# Altium PCB mantarray_beta2_sensor_arrayed.PcbDoc (part 12 of 14) (continued)
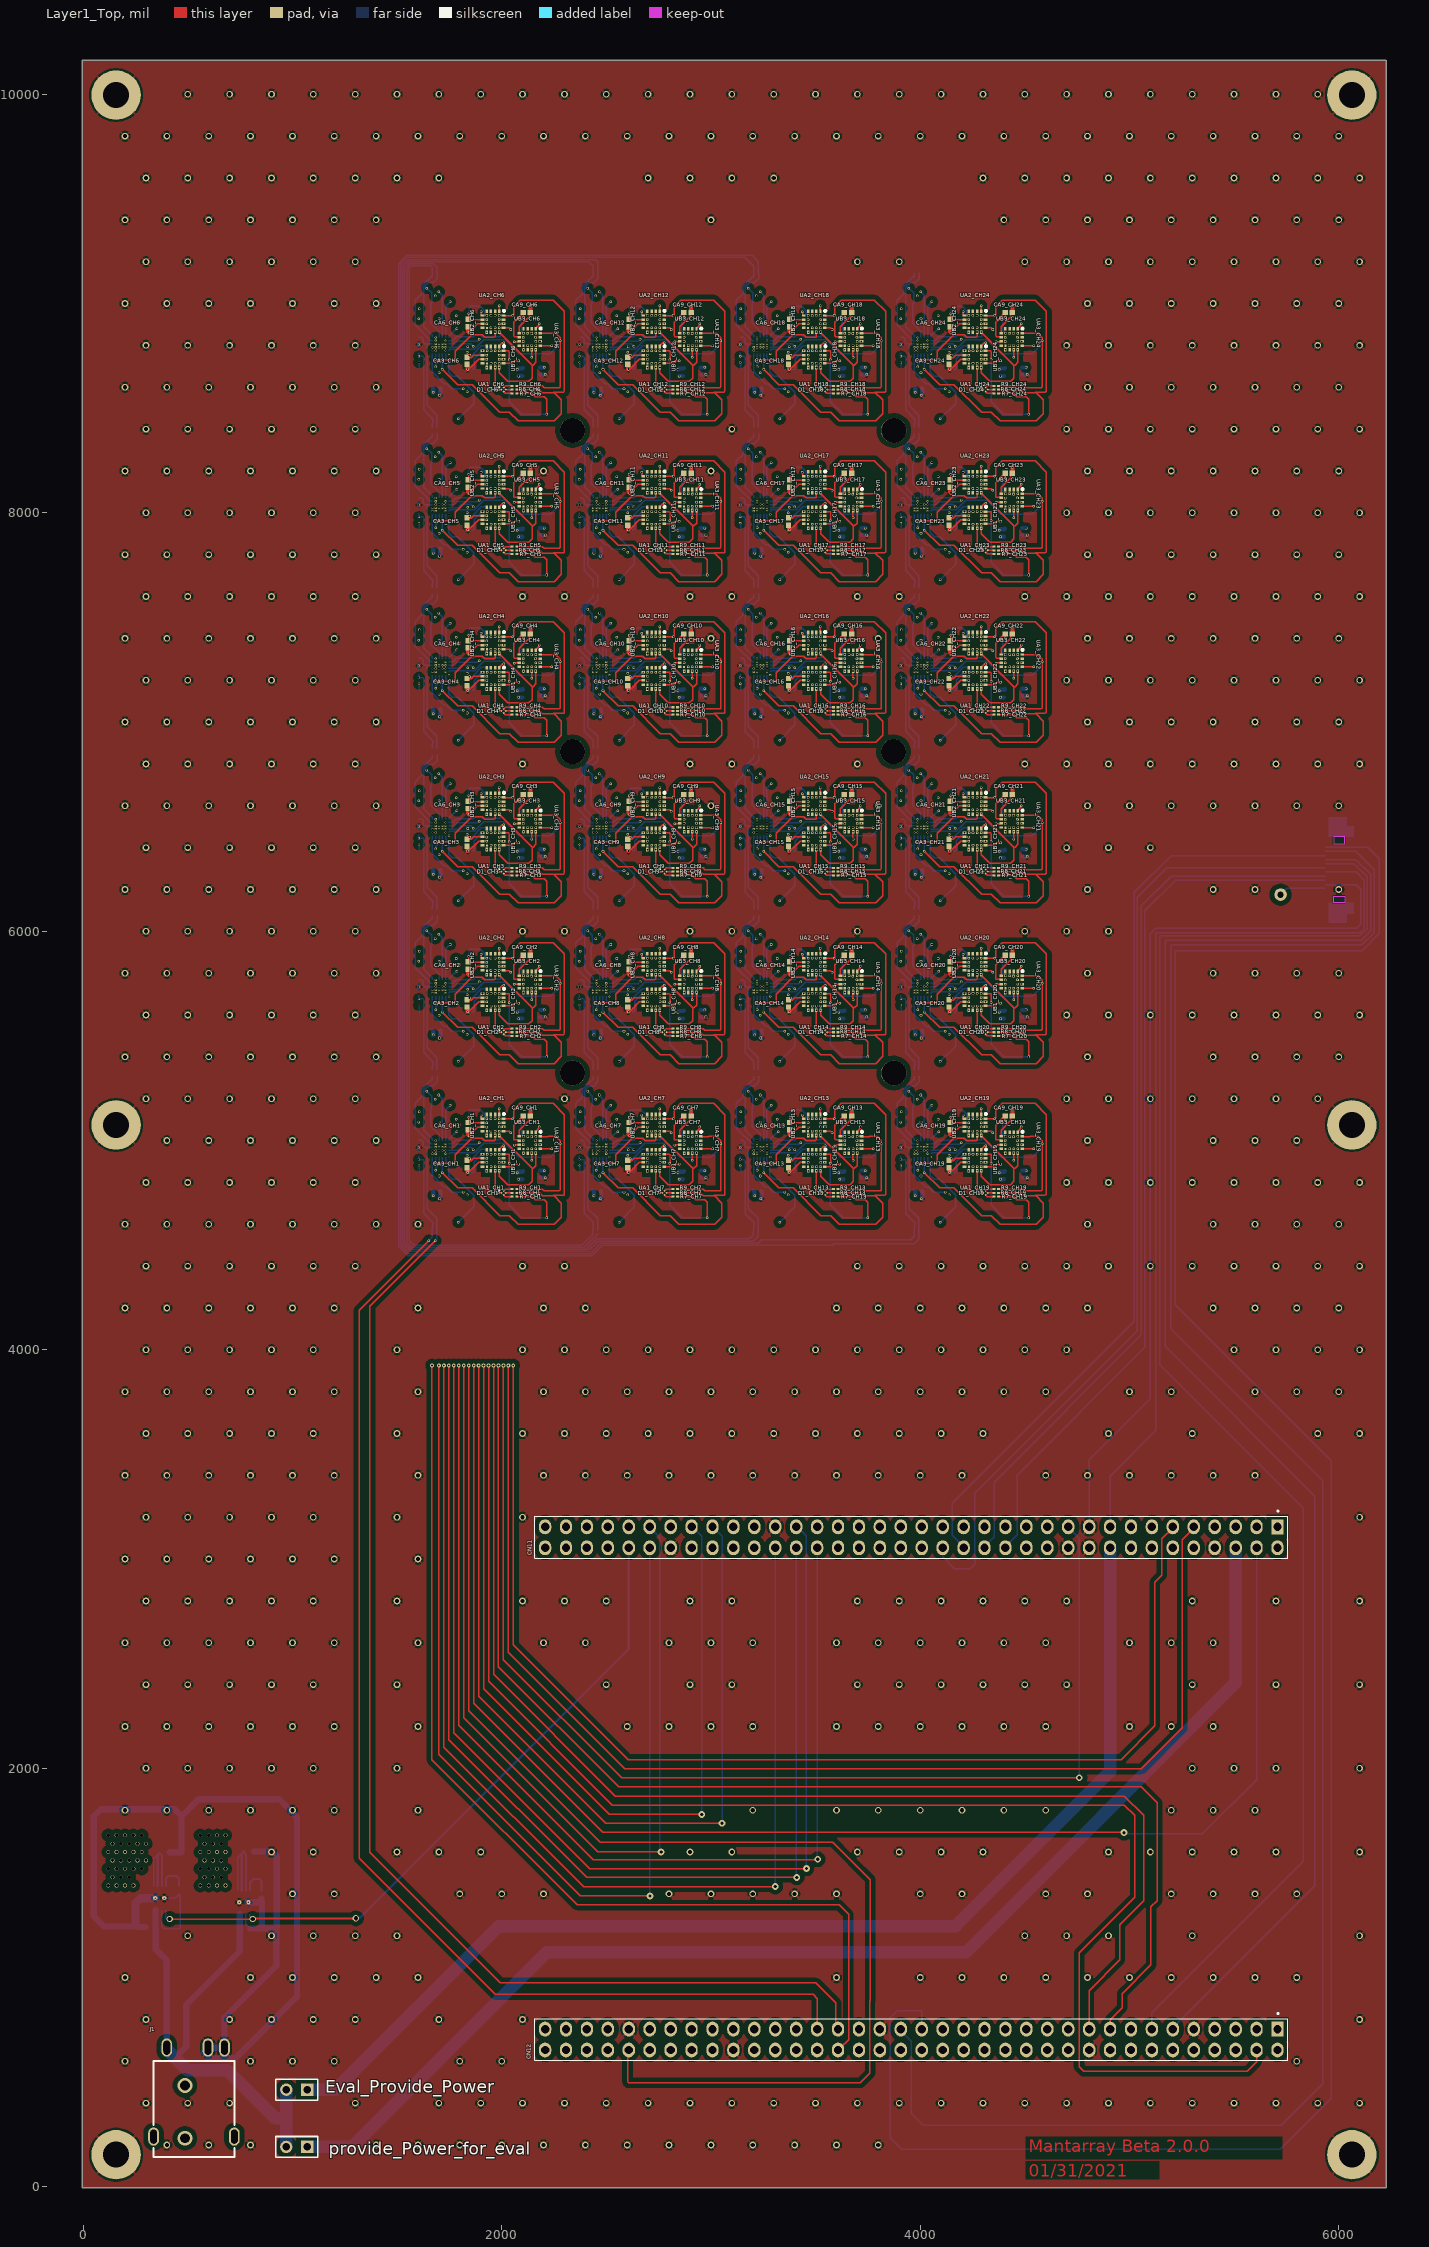
[diagram p0: Layer1_Top view]
## Nets (pads, with @x,y where several pads share a name; then routed paths per layer and width w, separated by ;. In a path a pad name is that pad's centre, name@x,y a point inside that pad or via, vN(x,y) a via of type N, cw(c..) or ccw(c..) an arc to the next point about the centre after c; other vN are vias at no path point) (continued)
  Layer8_BOT w6: v1(2452.76,5625.98) 2453.84,5627.06 2453.84,5638.87 2468.5,5653.54 U1_CH8.F4@2468.5,5688.98
spi1_sck_CH9: U1_CH9.F4 UA1_CH9.1 UA2_CH9.1 UA3_CH9.1 UB1_CH9.1 UB2_CH9.1 UB3_CH9.1 | length 1921.8
  Layer1_Top w6: UB2_CH9.1@2775.88,6580.42 2803.44,6580.42 v1(2811.02,6572.83) ; UB1_CH9.1@2776.37,6411.14 2818.62,6411.14 2830.71,6423.23 v1(2848.43,6423.23) ; UA3_CH9.1@2931.1,6555.32 UA3_CH9.1@2932.33,6555.32 ; UB3_CH9.1@2950.79,6495.77 3007.59,6495.77 v1(3007.87,6496.06)
  Layer2_sig1 w6: v1(2452.76,6393.7) 2462.6,6393.7 2476.38,6407.48 2543.31,6407.48 2579.93,6370.86 2644.48,6370.86 2649.61,6375.98 ; v1(2755.91,6639.76) 2754.76,6640.91 2754.76,6644.85 2728.35,6671.26 2647.64,6671.26 2631.89,6655.51 2631.89,6580.71 2677.17,6535.43 2807.51,6535.43 2809.27,6537.19 ; v1(2756.4,6470.68) 2723.14,6503.94 2667.32,6503.94 2649.61,6486.22 2649.61,6375.98 ; 2811.02,6537.19 2811.02,6557.09 ; v1@2811.02,6571.21 2811.02,6570.4 2811.02,6557.09 ; v1(2811.02,6572.83) 2811.84,6573.65 2811.84,6581.23 2825.09,6594.49 2905.51,6594.49 2931.1,6568.9 v1(2931.1,6555.12) ; v1@2850.39,6424.77 2853.91,6421.26 2980.32,6421.26 3007.87,6448.82 v1(3007.87,6496.06) ; 2649.61,6375.98 2667.32,6358.27 2783.46,6358.27 v1(2848.43,6423.23) 2848.43,6514.45 2836.09,6526.78 2832.68,6526.78 2822.27,6537.19 2809.27,6537.19 ; 2809.27,6537.19 2811.02,6538.95 2811.02,6557.09
  Layer8_BOT w6: v1(2452.76,6393.7) 2453.84,6394.78 2453.84,6406.59 2468.5,6421.26 U1_CH9.F4@2468.5,6456.69
spi1_sck_CH10: U1_CH10.F4 UA1_CH10.1 UA2_CH10.1 UA3_CH10.1 UB1_CH10.1 UB2_CH10.1 UB3_CH10.1 | length 1921.8
  Layer1_Top w6: UB2_CH10.1@2775.88,7348.14 2803.44,7348.14 v1(2811.02,7340.55) ; UB1_CH10.1@2776.37,7178.85 2818.62,7178.85 2830.71,7190.94 v1(2848.43,7190.94) ; UA3_CH10.1@2931.1,7323.04 UA3_CH10.1@2932.33,7323.04 ; UB3_CH10.1@2950.79,7263.49 3007.59,7263.49 v1(3007.87,7263.78)
  Layer2_sig1 w6: v1(2452.76,7161.42) 2462.6,7161.42 2476.38,7175.2 2543.31,7175.2 2579.93,7138.57 2644.48,7138.57 2649.61,7143.7 ; v1(2755.91,7407.48) 2754.76,7408.63 2754.76,7412.57 2728.35,7438.98 2647.64,7438.98 2631.89,7423.23 2631.89,7348.43 2677.17,7303.15 2807.51,7303.15 2809.27,7304.91 ; v1(2756.4,7238.4) 2723.14,7271.65 2667.32,7271.65 2649.61,7253.94 2649.61,7143.7 ; 2811.02,7304.91 2811.02,7324.8 ; v1@2811.02,7338.93 2811.02,7338.11 2811.02,7324.8 ; v1(2811.02,7340.55) 2811.84,7341.36 2811.84,7348.95 2825.09,7362.2 2905.51,7362.2 2931.1,7336.61 v1(2931.1,7322.83) ; v1@2850.39,7192.49 2853.91,7188.98 2980.32,7188.98 3007.87,7216.54 v1(3007.87,7263.78) ; 2649.61,7143.7 2667.32,7125.98 2783.46,7125.98 v1(2848.43,7190.94) 2848.43,7282.16 2836.09,7294.5 2832.68,7294.5 2822.27,7304.91 2809.27,7304.91 ; 2809.27,7304.91 2811.02,7306.66 2811.02,7324.8
  Layer8_BOT w6: v1(2452.76,7161.42) 2453.84,7162.5 2453.84,7174.31 2468.5,7188.98 U1_CH10.F4@2468.5,7224.41
spi1_sck_CH11: U1_CH11.F4 UA1_CH11.1 UA2_CH11.1 UA3_CH11.1 UB1_CH11.1 UB2_CH11.1 UB3_CH11.1 | length 1921.8
  Layer1_Top w6: UB2_CH11.1@2775.88,8115.85 2803.44,8115.85 v1(2811.02,8108.27) ; UB1_CH11.1@2776.37,7946.57 2818.62,7946.57 2830.71,7958.66 v1(2848.43,7958.66) ; UA3_CH11.1@2931.1,8090.76 UA3_CH11.1@2932.33,8090.76 ; UB3_CH11.1@2950.79,8031.21 3007.59,8031.21 v1(3007.87,8031.5)
  Layer2_sig1 w6: v1(2452.76,7929.13) 2462.6,7929.13 2476.38,7942.91 2543.31,7942.91 2579.93,7906.29 2644.48,7906.29 2649.61,7911.42 ; v1(2755.91,8175.2) 2754.76,8176.34 2754.76,8180.28 2728.35,8206.69 2647.64,8206.69 2631.89,8190.94 2631.89,8116.14 2677.17,8070.87 2807.51,8070.87 2809.27,8072.62 ; v1(2756.4,8006.11) 2723.14,8039.37 2667.32,8039.37 2649.61,8021.65 2649.61,7911.42 ; 2811.02,8072.62 2811.02,8092.52 ; v1@2811.02,8106.64 2811.02,8105.83 2811.02,8092.52 ; v1(2811.02,8108.27) 2811.84,8109.08 2811.84,8116.67 2825.09,8129.92 2905.51,8129.92 2931.1,8104.33 v1(2931.1,8090.55) ; v1@2850.39,7960.21 2853.91,7956.69 2980.32,7956.69 3007.87,7984.25 v1(3007.87,8031.5) ; 2649.61,7911.42 2667.32,7893.7 2783.46,7893.7 v1(2848.43,7958.66) 2848.43,8049.88 2836.09,8062.21 2832.68,8062.21 2822.27,8072.62 2809.27,8072.62 ; 2809.27,8072.62 2811.02,8074.38 2811.02,8092.52
  Layer8_BOT w6: v1(2452.76,7929.13) 2453.84,7930.21 2453.84,7942.02 2468.5,7956.69 U1_CH11.F4@2468.5,7992.13
spi1_sck_CH12: U1_CH12.F4 UA1_CH12.1 UA2_CH12.1 UA3_CH12.1 UB1_CH12.1 UB2_CH12.1 UB3_CH12.1 | length 1921.8
  Layer1_Top w6: UB2_CH12.1@2775.88,8883.57 2803.44,8883.57 v1(2811.02,8875.98) ; UB1_CH12.1@2776.37,8714.28 2818.62,8714.28 2830.71,8726.38 v1(2848.43,8726.38) ; UA3_CH12.1@2931.1,8858.47 UA3_CH12.1@2932.33,8858.47 ; UB3_CH12.1@2950.79,8798.92 3007.59,8798.92 v1(3007.87,8799.21)
  Layer2_sig1 w6: v1(2452.76,8696.85) 2462.6,8696.85 2476.38,8710.63 2543.31,8710.63 2579.93,8674.01 2644.48,8674.01 2649.61,8679.13 ; v1(2755.91,8942.91) 2754.76,8944.06 2754.76,8948 2728.35,8974.41 2647.64,8974.41 2631.89,8958.66 2631.89,8883.86 2677.17,8838.58 2807.51,8838.58 2809.27,8840.34 ; v1(2756.4,8773.83) 2723.14,8807.09 2667.32,8807.09 2649.61,8789.37 2649.61,8679.13 ; 2811.02,8840.34 2811.02,8860.24 ; v1@2811.02,8874.36 2811.02,8873.55 2811.02,8860.24 ; v1(2811.02,8875.98) 2811.84,8876.8 2811.84,8884.38 2825.09,8897.64 2905.51,8897.64 2931.1,8872.05 v1(2931.1,8858.27) ; v1@2850.39,8727.92 2853.91,8724.41 2980.32,8724.41 3007.87,8751.97 v1(3007.87,8799.21) ; 2649.61,8679.13 2667.32,8661.42 2783.46,8661.42 v1(2848.43,8726.38) 2848.43,8817.6 2836.09,8829.93 2832.68,8829.93 2822.27,8840.34 2809.27,8840.34 ; 2809.27,8840.34 2811.02,8842.1 2811.02,8860.24
  Layer8_BOT w6: v1(2452.76,8696.85) 2453.84,8697.93 2453.84,8709.74 2468.5,8724.41 U1_CH12.F4@2468.5,8759.84
spi1_sck_CH13: U1_CH13.F4 UA1_CH13.1 UA2_CH13.1 UA3_CH13.1 UB1_CH13.1 UB2_CH13.1 UB3_CH13.1 | length 1921.8
  Layer1_Top w6: UB2_CH13.1@3543.6,5044.99 3571.15,5044.99 v1(3578.74,5037.4) ; UB1_CH13.1@3544.09,4875.7 3586.33,4875.7 3598.43,4887.8 v1(3616.14,4887.8) ; UA3_CH13.1@3698.82,5019.89 UA3_CH13.1@3700.05,5019.89 ; UB3_CH13.1@3718.5,4960.34 3775.3,4960.34 v1(3775.59,4960.63)
  Layer2_sig1 w6: v1(3220.47,4858.27) 3230.32,4858.27 3244.09,4872.05 3311.02,4872.05 3347.65,4835.43 3412.2,4835.43 3417.32,4840.55 ; v1(3523.62,5104.33) 3522.47,5105.48 3522.47,5109.42 3496.06,5135.83 3415.35,5135.83 3399.61,5120.08 3399.61,5045.28 3444.88,5000 3575.23,5000 3576.98,5001.76 ; v1(3524.12,4935.25) 3490.86,4968.5 3435.04,4968.5 3417.32,4950.79 3417.32,4840.55 ; 3578.74,5001.76 3578.74,5021.65 ; v1@3578.74,5035.78 3578.74,5034.96 3578.74,5021.65 ; v1(3578.74,5037.4) 3579.55,5038.21 3579.55,5045.8 3592.81,5059.06 3673.23,5059.06 3698.82,5033.46 v1(3698.82,5019.69) ; v1@3618.11,4889.34 3621.63,4885.83 3748.03,4885.83 3775.59,4913.39 v1(3775.59,4960.63) ; 3417.32,4840.55 3435.04,4822.83 3551.18,4822.83 v1(3616.14,4887.8) 3616.14,4979.01 3603.81,4991.35 3600.39,4991.35 3589.98,5001.76 3576.98,5001.76 ; 3576.98,5001.76 3578.74,5003.51 3578.74,5021.65
  Layer8_BOT w6: v1(3220.47,4858.27) 3221.55,4859.35 3221.55,4871.16 3236.22,4885.83 U1_CH13.F4@3236.22,4921.26
spi1_sck_CH14: U1_CH14.F4 UA1_CH14.1 UA2_CH14.1 UA3_CH14.1 UB1_CH14.1 UB2_CH14.1 UB3_CH14.1 | length 1921.8
  Layer1_Top w6: UB2_CH14.1@3543.6,5812.7 3571.15,5812.7 v1(3578.74,5805.12) ; UB1_CH14.1@3544.09,5643.42 3586.33,5643.42 3598.43,5655.51 v1(3616.14,5655.51) ; UA3_CH14.1@3698.82,5787.61 UA3_CH14.1@3700.05,5787.61 ; UB3_CH14.1@3718.5,5728.06 3775.3,5728.06 v1(3775.59,5728.35)
  Layer2_sig1 w6: v1(3220.47,5625.98) 3230.32,5625.98 3244.09,5639.76 3311.02,5639.76 3347.65,5603.14 3412.2,5603.14 3417.32,5608.27 ; v1(3523.62,5872.05) 3522.47,5873.2 3522.47,5877.13 3496.06,5903.54 3415.35,5903.54 3399.61,5887.8 3399.61,5812.99 3444.88,5767.72 3575.23,5767.72 3576.98,5769.47 ; v1(3524.12,5702.96) 3490.86,5736.22 3435.04,5736.22 3417.32,5718.5 3417.32,5608.27 ; 3578.74,5769.47 3578.74,5789.37 ; v1@3578.74,5803.49 3578.74,5802.68 3578.74,5789.37 ; v1(3578.74,5805.12) 3579.55,5805.93 3579.55,5813.52 3592.81,5826.77 3673.23,5826.77 3698.82,5801.18 v1(3698.82,5787.4) ; v1@3618.11,5657.06 3621.63,5653.54 3748.03,5653.54 3775.59,5681.1 v1(3775.59,5728.35) ; 3417.32,5608.27 3435.04,5590.55 3551.18,5590.55 v1(3616.14,5655.51) 3616.14,5746.73 3603.81,5759.06 3600.39,5759.06 3589.98,5769.47 3576.98,5769.47 ; 3576.98,5769.47 3578.74,5771.23 3578.74,5789.37
  Layer8_BOT w6: v1(3220.47,5625.98) 3221.55,5627.06 3221.55,5638.87 3236.22,5653.54 U1_CH14.F4@3236.22,5688.98
spi1_sck_CH15: U1_CH15.F4 UA1_CH15.1 UA2_CH15.1 UA3_CH15.1 UB1_CH15.1 UB2_CH15.1 UB3_CH15.1 | length 1921.8
  Layer1_Top w6: UB2_CH15.1@3543.6,6580.42 3571.15,6580.42 v1(3578.74,6572.83) ; UB1_CH15.1@3544.09,6411.14 3586.33,6411.14 3598.43,6423.23 v1(3616.14,6423.23) ; UA3_CH15.1@3698.82,6555.32 UA3_CH15.1@3700.05,6555.32 ; UB3_CH15.1@3718.5,6495.77 3775.3,6495.77 v1(3775.59,6496.06)
  Layer2_sig1 w6: v1(3220.47,6393.7) 3230.32,6393.7 3244.09,6407.48 3311.02,6407.48 3347.65,6370.86 3412.2,6370.86 3417.32,6375.98 ; v1(3523.62,6639.76) 3522.47,6640.91 3522.47,6644.85 3496.06,6671.26 3415.35,6671.26 3399.61,6655.51 3399.61,6580.71 3444.88,6535.43 3575.23,6535.43 3576.98,6537.19 ; v1(3524.12,6470.68) 3490.86,6503.94 3435.04,6503.94 3417.32,6486.22 3417.32,6375.98 ; 3578.74,6537.19 3578.74,6557.09 ; v1@3578.74,6571.21 3578.74,6570.4 3578.74,6557.09 ; v1(3578.74,6572.83) 3579.55,6573.65 3579.55,6581.23 3592.81,6594.49 3673.23,6594.49 3698.82,6568.9 v1(3698.82,6555.12) ; v1@3618.11,6424.77 3621.63,6421.26 3748.03,6421.26 3775.59,6448.82 v1(3775.59,6496.06) ; 3417.32,6375.98 3435.04,6358.27 3551.18,6358.27 v1(3616.14,6423.23) 3616.14,6514.45 3603.81,6526.78 3600.39,6526.78 3589.98,6537.19 3576.98,6537.19 ; 3576.98,6537.19 3578.74,6538.95 3578.74,6557.09
  Layer8_BOT w6: v1(3220.47,6393.7) 3221.55,6394.78 3221.55,6406.59 3236.22,6421.26 U1_CH15.F4@3236.22,6456.69
spi1_sck_CH16: U1_CH16.F4 UA1_CH16.1 UA2_CH16.1 UA3_CH16.1 UB1_CH16.1 UB2_CH16.1 UB3_CH16.1 | length 1921.8
  Layer1_Top w6: UB2_CH16.1@3543.6,7348.14 3571.15,7348.14 v1(3578.74,7340.55) ; UB1_CH16.1@3544.09,7178.85 3586.33,7178.85 3598.43,7190.94 v1(3616.14,7190.94) ; UA3_CH16.1@3698.82,7323.04 UA3_CH16.1@3700.05,7323.04 ; UB3_CH16.1@3718.5,7263.49 3775.3,7263.49 v1(3775.59,7263.78)
  Layer2_sig1 w6: v1(3220.47,7161.42) 3230.32,7161.42 3244.09,7175.2 3311.02,7175.2 3347.65,7138.57 3412.2,7138.57 3417.32,7143.7 ; v1(3523.62,7407.48) 3522.47,7408.63 3522.47,7412.57 3496.06,7438.98 3415.35,7438.98 3399.61,7423.23 3399.61,7348.43 3444.88,7303.15 3575.23,7303.15 3576.98,7304.91 ; v1(3524.12,7238.4) 3490.86,7271.65 3435.04,7271.65 3417.32,7253.94 3417.32,7143.7 ; 3578.74,7304.91 3578.74,7324.8 ; v1@3578.74,7338.93 3578.74,7338.11 3578.74,7324.8 ; v1(3578.74,7340.55) 3579.55,7341.36 3579.55,7348.95 3592.81,7362.2 3673.23,7362.2 3698.82,7336.61 v1(3698.82,7322.83) ; v1@3618.11,7192.49 3621.63,7188.98 3748.03,7188.98 3775.59,7216.54 v1(3775.59,7263.78) ; 3417.32,7143.7 3435.04,7125.98 3551.18,7125.98 v1(3616.14,7190.94) 3616.14,7282.16 3603.81,7294.5 3600.39,7294.5 3589.98,7304.91 3576.98,7304.91 ; 3576.98,7304.91 3578.74,7306.66 3578.74,7324.8
  Layer8_BOT w6: v1(3220.47,7161.42) 3221.55,7162.5 3221.55,7174.31 3236.22,7188.98 U1_CH16.F4@3236.22,7224.41
spi1_sck_CH17: U1_CH17.F4 UA1_CH17.1 UA2_CH17.1 UA3_CH17.1 UB1_CH17.1 UB2_CH17.1 UB3_CH17.1 | length 1921.8
  Layer1_Top w6: UB2_CH17.1@3543.6,8115.85 3571.15,8115.85 v1(3578.74,8108.27) ; UB1_CH17.1@3544.09,7946.57 3586.33,7946.57 3598.43,7958.66 v1(3616.14,7958.66) ; UA3_CH17.1@3698.82,8090.76 UA3_CH17.1@3700.05,8090.76 ; UB3_CH17.1@3718.5,8031.21 3775.3,8031.21 v1(3775.59,8031.5)
  Layer2_sig1 w6: v1(3220.47,7929.13) 3230.32,7929.13 3244.09,7942.91 3311.02,7942.91 3347.65,7906.29 3412.2,7906.29 3417.32,7911.42 ; v1(3523.62,8175.2) 3522.47,8176.34 3522.47,8180.28 3496.06,8206.69 3415.35,8206.69 3399.61,8190.94 3399.61,8116.14 3444.88,8070.87 3575.23,8070.87 3576.98,8072.62 ; v1(3524.12,8006.11) 3490.86,8039.37 3435.04,8039.37 3417.32,8021.65 3417.32,7911.42 ; 3578.74,8072.62 3578.74,8092.52 ; v1@3578.74,8106.64 3578.74,8105.83 3578.74,8092.52 ; v1(3578.74,8108.27) 3579.55,8109.08 3579.55,8116.67 3592.81,8129.92 3673.23,8129.92 3698.82,8104.33 v1(3698.82,8090.55) ; v1@3618.11,7960.21 3621.63,7956.69 3748.03,7956.69 3775.59,7984.25 v1(3775.59,8031.5) ; 3417.32,7911.42 3435.04,7893.7 3551.18,7893.7 v1(3616.14,7958.66) 3616.14,8049.88 3603.81,8062.21 3600.39,8062.21 3589.98,8072.62 3576.98,8072.62 ; 3576.98,8072.62 3578.74,8074.38 3578.74,8092.52
  Layer8_BOT w6: v1(3220.47,7929.13) 3221.55,7930.21 3221.55,7942.02 3236.22,7956.69 U1_CH17.F4@3236.22,7992.13
spi1_sck_CH18: U1_CH18.F4 UA1_CH18.1 UA2_CH18.1 UA3_CH18.1 UB1_CH18.1 UB2_CH18.1 UB3_CH18.1 | length 1921.8
  Layer1_Top w6: UB2_CH18.1@3543.6,8883.57 3571.15,8883.57 v1(3578.74,8875.98) ; UB1_CH18.1@3544.09,8714.28 3586.33,8714.28 3598.43,8726.38 v1(3616.14,8726.38) ; UA3_CH18.1@3698.82,8858.47 UA3_CH18.1@3700.05,8858.47 ; UB3_CH18.1@3718.5,8798.92 3775.3,8798.92 v1(3775.59,8799.21)
  Layer2_sig1 w6: v1(3220.47,8696.85) 3230.32,8696.85 3244.09,8710.63 3311.02,8710.63 3347.65,8674.01 3412.2,8674.01 3417.32,8679.13 ; v1(3523.62,8942.91) 3522.47,8944.06 3522.47,8948 3496.06,8974.41 3415.35,8974.41 3399.61,8958.66 3399.61,8883.86 3444.88,8838.58 3575.23,8838.58 3576.98,8840.34 ; v1(3524.12,8773.83) 3490.86,8807.09 3435.04,8807.09 3417.32,8789.37 3417.32,8679.13 ; 3578.74,8840.34 3578.74,8860.24 ; v1@3578.74,8874.36 3578.74,8873.55 3578.74,8860.24 ; v1(3578.74,8875.98) 3579.55,8876.8 3579.55,8884.38 3592.81,8897.64 3673.23,8897.64 3698.82,8872.05 v1(3698.82,8858.27) ; v1@3618.11,8727.92 3621.63,8724.41 3748.03,8724.41 3775.59,8751.97 v1(3775.59,8799.21) ; 3417.32,8679.13 3435.04,8661.42 3551.18,8661.42 v1(3616.14,8726.38) 3616.14,8817.6 3603.81,8829.93 3600.39,8829.93 3589.98,8840.34 3576.98,8840.34 ; 3576.98,8840.34 3578.74,8842.1 3578.74,8860.24
  Layer8_BOT w6: v1(3220.47,8696.85) 3221.55,8697.93 3221.55,8709.74 3236.22,8724.41 U1_CH18.F4@3236.22,8759.84
spi1_sck_CH19: U1_CH19.F4 UA1_CH19.1 UA2_CH19.1 UA3_CH19.1 UB1_CH19.1 UB2_CH19.1 UB3_CH19.1 | length 1921.8
  Layer1_Top w6: UB2_CH19.1@4311.31,5044.99 4338.87,5044.99 v1(4346.46,5037.4) ; UB1_CH19.1@4311.8,4875.7 4354.05,4875.7 4366.14,4887.8 v1(4383.86,4887.8) ; UA3_CH19.1@4466.54,5019.89 UA3_CH19.1@4467.76,5019.89 ; UB3_CH19.1@4486.22,4960.34 4543.02,4960.34 v1(4543.31,4960.63)
  Layer2_sig1 w6: v1(3988.19,4858.27) 3998.03,4858.27 4011.81,4872.05 4078.74,4872.05 4115.36,4835.43 4179.91,4835.43 4185.04,4840.55 ; v1(4291.34,5104.33) 4290.19,5105.48 4290.19,5109.42 4263.78,5135.83 4183.07,5135.83 4167.32,5120.08 4167.32,5045.28 4212.6,5000 4342.94,5000 4344.7,5001.76 ; v1(4291.83,4935.25) 4258.58,4968.5 4202.76,4968.5 4185.04,4950.79 4185.04,4840.55 ; 4346.46,5001.76 4346.46,5021.65 ; v1@4346.46,5035.78 4346.46,5034.96 4346.46,5021.65 ; v1(4346.46,5037.4) 4347.27,5038.21 4347.27,5045.8 4360.52,5059.06 4440.95,5059.06 4466.54,5033.46 v1(4466.54,5019.69) ; v1@4385.83,4889.34 4389.34,4885.83 4515.75,4885.83 4543.31,4913.39 v1(4543.31,4960.63) ; 4185.04,4840.55 4202.76,4822.83 4318.9,4822.83 v1(4383.86,4887.8) 4383.86,4979.01 4371.53,4991.35 4368.11,4991.35 4357.7,5001.76 4344.7,5001.76 ; 4344.7,5001.76 4346.46,5003.51 4346.46,5021.65
  Layer8_BOT w6: v1(3988.19,4858.27) 3989.27,4859.35 3989.27,4871.16 4003.94,4885.83 U1_CH19.F4@4003.94,4921.26
spi1_sck_CH20: U1_CH20.F4 UA1_CH20.1 UA2_CH20.1 UA3_CH20.1 UB1_CH20.1 UB2_CH20.1 UB3_CH20.1 | length 1921.8
  Layer1_Top w6: UB2_CH20.1@4311.31,5812.7 4338.87,5812.7 v1(4346.46,5805.12) ; UB1_CH20.1@4311.8,5643.42 4354.05,5643.42 4366.14,5655.51 v1(4383.86,5655.51) ; UA3_CH20.1@4466.54,5787.61 UA3_CH20.1@4467.76,5787.61 ; UB3_CH20.1@4486.22,5728.06 4543.02,5728.06 v1(4543.31,5728.35)
  Layer2_sig1 w6: v1(3988.19,5625.98) 3998.03,5625.98 4011.81,5639.76 4078.74,5639.76 4115.36,5603.14 4179.91,5603.14 4185.04,5608.27 ; v1(4291.34,5872.05) 4290.19,5873.2 4290.19,5877.13 4263.78,5903.54 4183.07,5903.54 4167.32,5887.8 4167.32,5812.99 4212.6,5767.72 4342.94,5767.72 4344.7,5769.47 ; v1(4291.83,5702.96) 4258.58,5736.22 4202.76,5736.22 4185.04,5718.5 4185.04,5608.27 ; 4346.46,5769.47 4346.46,5789.37 ; v1@4346.46,5803.49 4346.46,5802.68 4346.46,5789.37 ; v1(4346.46,5805.12) 4347.27,5805.93 4347.27,5813.52 4360.52,5826.77 4440.95,5826.77 4466.54,5801.18 v1(4466.54,5787.4) ; v1@4385.83,5657.06 4389.34,5653.54 4515.75,5653.54 4543.31,5681.1 v1(4543.31,5728.35) ; 4185.04,5608.27 4202.76,5590.55 4318.9,5590.55 v1(4383.86,5655.51) 4383.86,5746.73 4371.53,5759.06 4368.11,5759.06 4357.7,5769.47 4344.7,5769.47 ; 4344.7,5769.47 4346.46,5771.23 4346.46,5789.37
  Layer8_BOT w6: v1(3988.19,5625.98) 3989.27,5627.06 3989.27,5638.87 4003.94,5653.54 U1_CH20.F4@4003.94,5688.98
spi1_sck_CH21: U1_CH21.F4 UA1_CH21.1 UA2_CH21.1 UA3_CH21.1 UB1_CH21.1 UB2_CH21.1 UB3_CH21.1 | length 1921.8
  Layer1_Top w6: UB2_CH21.1@4311.31,6580.42 4338.87,6580.42 v1(4346.46,6572.83) ; UB1_CH21.1@4311.8,6411.14 4354.05,6411.14 4366.14,6423.23 v1(4383.86,6423.23) ; UA3_CH21.1@4466.54,6555.32 UA3_CH21.1@4467.76,6555.32 ; UB3_CH21.1@4486.22,6495.77 4543.02,6495.77 v1(4543.31,6496.06)
  Layer2_sig1 w6: v1(3988.19,6393.7) 3998.03,6393.7 4011.81,6407.48 4078.74,6407.48 4115.36,6370.86 4179.91,6370.86 4185.04,6375.98 ; v1(4291.34,6639.76) 4290.19,6640.91 4290.19,6644.85 4263.78,6671.26 4183.07,6671.26 4167.32,6655.51 4167.32,6580.71 4212.6,6535.43 4342.94,6535.43 4344.7,6537.19 ; v1(4291.83,6470.68) 4258.58,6503.94 4202.76,6503.94 4185.04,6486.22 4185.04,6375.98 ; 4346.46,6537.19 4346.46,6557.09 ; v1@4346.46,6571.21 4346.46,6570.4 4346.46,6557.09 ; v1(4346.46,6572.83) 4347.27,6573.65 4347.27,6581.23 4360.52,6594.49 4440.95,6594.49 4466.54,6568.9 v1(4466.54,6555.12) ; v1@4385.83,6424.77 4389.34,6421.26 4515.75,6421.26 4543.31,6448.82 v1(4543.31,6496.06) ; 4185.04,6375.98 4202.76,6358.27 4318.9,6358.27 v1(4383.86,6423.23) 4383.86,6514.45 4371.53,6526.78 4368.11,6526.78 4357.7,6537.19 4344.7,6537.19 ; 4344.7,6537.19 4346.46,6538.95 4346.46,6557.09
  Layer8_BOT w6: v1(3988.19,6393.7) 3989.27,6394.78 3989.27,6406.59 4003.94,6421.26 U1_CH21.F4@4003.94,6456.69
spi1_sck_CH22: U1_CH22.F4 UA1_CH22.1 UA2_CH22.1 UA3_CH22.1 UB1_CH22.1 UB2_CH22.1 UB3_CH22.1 | length 1921.8
  Layer1_Top w6: UB2_CH22.1@4311.31,7348.14 4338.87,7348.14 v1(4346.46,7340.55) ; UB1_CH22.1@4311.8,7178.85 4354.05,7178.85 4366.14,7190.94 v1(4383.86,7190.94) ; UA3_CH22.1@4466.54,7323.04 UA3_CH22.1@4467.76,7323.04 ; UB3_CH22.1@4486.22,7263.49 4543.02,7263.49 v1(4543.31,7263.78)
  Layer2_sig1 w6: v1(3988.19,7161.42) 3998.03,7161.42 4011.81,7175.2 4078.74,7175.2 4115.36,7138.57 4179.91,7138.57 4185.04,7143.7 ; v1(4291.34,7407.48) 4290.19,7408.63 4290.19,7412.57 4263.78,7438.98 4183.07,7438.98 4167.32,7423.23 4167.32,7348.43 4212.6,7303.15 4342.94,7303.15 4344.7,7304.91 ; v1(4291.83,7238.4) 4258.58,7271.65 4202.76,7271.65 4185.04,7253.94 4185.04,7143.7 ; 4346.46,7304.91 4346.46,7324.8 ; v1@4346.46,7338.93 4346.46,7338.11 4346.46,7324.8 ; v1(4346.46,7340.55) 4347.27,7341.36 4347.27,7348.95 4360.52,7362.2 4440.95,7362.2 4466.54,7336.61 v1(4466.54,7322.83) ; v1@4385.83,7192.49 4389.34,7188.98 4515.75,7188.98 4543.31,7216.54 v1(4543.31,7263.78) ; 4185.04,7143.7 4202.76,7125.98 4318.9,7125.98 v1(4383.86,7190.94) 4383.86,7282.16 4371.53,7294.5 4368.11,7294.5 4357.7,7304.91 4344.7,7304.91 ; 4344.7,7304.91 4346.46,7306.66 4346.46,7324.8
  Layer8_BOT w6: v1(3988.19,7161.42) 3989.27,7162.5 3989.27,7174.31 4003.94,7188.98 U1_CH22.F4@4003.94,7224.41
spi1_sck_CH23: U1_CH23.F4 UA1_CH23.1 UA2_CH23.1 UA3_CH23.1 UB1_CH23.1 UB2_CH23.1 UB3_CH23.1 | length 1921.8
  Layer1_Top w6: UB2_CH23.1@4311.31,8115.85 4338.87,8115.85 v1(4346.46,8108.27) ; UB1_CH23.1@4311.8,7946.57 4354.05,7946.57 4366.14,7958.66 v1(4383.86,7958.66) ; UA3_CH23.1@4466.54,8090.76 UA3_CH23.1@4467.76,8090.76 ; UB3_CH23.1@4486.22,8031.21 4543.02,8031.21 v1(4543.31,8031.5)
  Layer2_sig1 w6: v1(3988.19,7929.13) 3998.03,7929.13 4011.81,7942.91 4078.74,7942.91 4115.36,7906.29 4179.91,7906.29 4185.04,7911.42 ; v1(4291.34,8175.2) 4290.19,8176.34 4290.19,8180.28 4263.78,8206.69 4183.07,8206.69 4167.32,8190.94 4167.32,8116.14 4212.6,8070.87 4342.94,8070.87 4344.7,8072.62 ; v1(4291.83,8006.11) 4258.58,8039.37 4202.76,8039.37 4185.04,8021.65 4185.04,7911.42 ; 4346.46,8072.62 4346.46,8092.52 ; v1@4346.46,8106.64 4346.46,8105.83 4346.46,8092.52 ; v1(4346.46,8108.27) 4347.27,8109.08 4347.27,8116.67 4360.52,8129.92 4440.95,8129.92 4466.54,8104.33 v1(4466.54,8090.55) ; v1@4385.83,7960.21 4389.34,7956.69 4515.75,7956.69 4543.31,7984.25 v1(4543.31,8031.5) ; 4185.04,7911.42 4202.76,7893.7 4318.9,7893.7 v1(4383.86,7958.66) 4383.86,8049.88 4371.53,8062.21 4368.11,8062.21 4357.7,8072.62 4344.7,8072.62 ; 4344.7,8072.62 4346.46,8074.38 4346.46,8092.52
  Layer8_BOT w6: v1(3988.19,7929.13) 3989.27,7930.21 3989.27,7942.02 4003.94,7956.69 U1_CH23.F4@4003.94,7992.13
spi1_sck_CH24: U1_CH24.F4 UA1_CH24.1 UA2_CH24.1 UA3_CH24.1 UB1_CH24.1 UB2_CH24.1 UB3_CH24.1 | length 1921.8
  Layer1_Top w6: UB2_CH24.1@4311.31,8883.57 4338.87,8883.57 v1(4346.46,8875.98) ; UB1_CH24.1@4311.8,8714.28 4354.05,8714.28 4366.14,8726.38 v1(4383.86,8726.38) ; UA3_CH24.1@4466.54,8858.47 UA3_CH24.1@4467.76,8858.47 ; UB3_CH24.1@4486.22,8798.92 4543.02,8798.92 v1(4543.31,8799.21)
  Layer2_sig1 w6: v1(3988.19,8696.85) 3998.03,8696.85 4011.81,8710.63 4078.74,8710.63 4115.36,8674.01 4179.91,8674.01 4185.04,8679.13 ; v1(4291.34,8942.91) 4290.19,8944.06 4290.19,8948 4263.78,8974.41 4183.07,8974.41 4167.32,8958.66 4167.32,8883.86 4212.6,8838.58 4342.94,8838.58 4344.7,8840.34 ; v1(4291.83,8773.83) 4258.58,8807.09 4202.76,8807.09 4185.04,8789.37 4185.04,8679.13 ; 4346.46,8840.34 4346.46,8860.24 ; v1@4346.46,8874.36 4346.46,8873.55 4346.46,8860.24 ; v1(4346.46,8875.98) 4347.27,8876.8 4347.27,8884.38 4360.52,8897.64 4440.95,8897.64 4466.54,8872.05 v1(4466.54,8858.27) ; v1@4385.83,8727.92 4389.34,8724.41 4515.75,8724.41 4543.31,8751.97 v1(4543.31,8799.21) ; 4185.04,8679.13 4202.76,8661.42 4318.9,8661.42 v1(4383.86,8726.38) 4383.86,8817.6 4371.53,8829.93 4368.11,8829.93 4357.7,8840.34 4344.7,8840.34 ; 4344.7,8840.34 4346.46,8842.1 4346.46,8860.24
  Layer8_BOT w6: v1(3988.19,8696.85) 3989.27,8697.93 3989.27,8709.74 4003.94,8724.41 U1_CH24.F4@4003.94,8759.84
spiA_cs_CH1: R7_CH1.2 U1_CH1.E3 UA1_CH1.10 UB1_CH1.4 | length 1246
  Layer1_Top w6: UB1_CH1.4@2008.65,4934.76 2033.89,4934.76 2037.4,4931.24 2037.4,4893.7 v1(2035.43,4891.73) ; R7_CH1.2@2071.85,4732.28 2143.7,4732.28 2159.45,4716.54 2202.76,4716.54 2214.57,4704.72 v1(2214.57,4631.89)
  Layer2_sig1 w6: v1(1988.68,4875.21) 2016.94,4875.21 2032.35,4890.62 2032.75,4890.62 2033.46,4891.34 v1@2033.46,4891.73
  Layer7_sig2 w6: v5(1716.54,4937.01) 1716.54,4907.48 1822.83,4801.18 2029.53,4801.18 2051.18,4822.83 2051.18,4874.02 v1@2033.46,4891.73
  Layer8_BOT w6: v1(2035.43,4891.73) 2035.43,4692.91 2096.46,4631.89 v1(2214.57,4631.89)
spiA_cs_CH2: R7_CH2.2 U1_CH2.E3 UA1_CH2.10 UB1_CH2.4 | length 1246
  Layer1_Top w6: UB1_CH2.4@2008.65,5702.47 2033.89,5702.47 2037.4,5698.96 2037.4,5661.42 v1(2035.43,5659.45) ; R7_CH2.2@2071.85,5500 2143.7,5500 2159.45,5484.25 2202.76,5484.25 2214.57,5472.44 v1(2214.57,5399.61)
  Layer2_sig1 w6: v1(1988.68,5642.92) 2016.94,5642.92 2032.35,5658.34 2032.75,5658.34 2033.46,5659.05 v1@2033.46,5659.45
  Layer7_sig2 w6: v5(1716.54,5704.72) 1716.54,5675.2 1822.83,5568.9 2029.53,5568.9 2051.18,5590.55 2051.18,5641.73 v1@2033.46,5659.45
  Layer8_BOT w6: v1(2035.43,5659.45) 2035.43,5460.63 2096.46,5399.61 v1(2214.57,5399.61)
spiA_cs_CH3: R7_CH3.2 U1_CH3.E3 UA1_CH3.10 UB1_CH3.4 | length 1246
  Layer1_Top w6: UB1_CH3.4@2008.65,6470.19 2033.89,6470.19 2037.4,6466.67 2037.4,6429.13 v1(2035.43,6427.17) ; R7_CH3.2@2071.85,6267.72 2143.7,6267.72 2159.45,6251.97 2202.76,6251.97 2214.57,6240.16 v1(2214.57,6167.32)
  Layer2_sig1 w6: v1(1988.68,6410.64) 2016.94,6410.64 2032.35,6426.05 2032.75,6426.05 2033.46,6426.77 v1@2033.46,6427.17
  Layer7_sig2 w6: v5(1716.54,6472.44) 1716.54,6442.91 1822.83,6336.61 2029.53,6336.61 2051.18,6358.27 2051.18,6409.45 v1@2033.46,6427.17
  Layer8_BOT w6: v1(2035.43,6427.17) 2035.43,6228.35 2096.46,6167.32 v1(2214.57,6167.32)
spiA_cs_CH4: R7_CH4.2 U1_CH4.E3 UA1_CH4.10 UB1_CH4.4 | length 1246
  Layer1_Top w6: UB1_CH4.4@2008.65,7237.91 2033.89,7237.91 2037.4,7234.39 2037.4,7196.85 v1(2035.43,7194.88) ; R7_CH4.2@2071.85,7035.43 2143.7,7035.43 2159.45,7019.69 2202.76,7019.69 2214.57,7007.87 v1(2214.57,6935.04)
  Layer2_sig1 w6: v1(1988.68,7178.36) 2016.94,7178.36 2032.35,7193.77 2032.75,7193.77 2033.46,7194.49 v1@2033.46,7194.88
  Layer7_sig2 w6: v5(1716.54,7240.16) 1716.54,7210.63 1822.83,7104.33 2029.53,7104.33 2051.18,7125.98 2051.18,7177.17 v1@2033.46,7194.88
  Layer8_BOT w6: v1(2035.43,7194.88) 2035.43,6996.06 2096.46,6935.04 v1(2214.57,6935.04)
spiA_cs_CH5: R7_CH5.2 U1_CH5.E3 UA1_CH5.10 UB1_CH5.4 | length 1246
  Layer1_Top w6: UB1_CH5.4@2008.65,8005.62 2033.89,8005.62 2037.4,8002.11 2037.4,7964.57 v1(2035.43,7962.6) ; R7_CH5.2@2071.85,7803.15 2143.7,7803.15 2159.45,7787.4 2202.76,7787.4 2214.57,7775.59 v1(2214.57,7702.76)
  Layer2_sig1 w6: v1(1988.68,7946.07) 2016.94,7946.07 2032.35,7961.49 2032.75,7961.49 2033.46,7962.2 v1@2033.46,7962.6
  Layer7_sig2 w6: v5(1716.54,8007.87) 1716.54,7978.35 1822.83,7872.05 2029.53,7872.05 2051.18,7893.7 2051.18,7944.88 v1@2033.46,7962.6
  Layer8_BOT w6: v1(2035.43,7962.6) 2035.43,7763.78 2096.46,7702.76 v1(2214.57,7702.76)
spiA_cs_CH6: R7_CH6.2 U1_CH6.E3 UA1_CH6.10 UB1_CH6.4 | length 1246
  Layer1_Top w6: UB1_CH6.4@2008.65,8773.34 2033.89,8773.34 2037.4,8769.82 2037.4,8732.28 v1(2035.43,8730.31) ; R7_CH6.2@2071.85,8570.87 2143.7,8570.87 2159.45,8555.12 2202.76,8555.12 2214.57,8543.31 v1(2214.57,8470.47)
  Layer2_sig1 w6: v1(1988.68,8713.79) 2016.94,8713.79 2032.35,8729.2 2032.75,8729.2 2033.46,8729.92 v1@2033.46,8730.31
  Layer7_sig2 w6: v5(1716.54,8775.59) 1716.54,8746.06 1822.83,8639.76 2029.53,8639.76 2051.18,8661.42 2051.18,8712.6 v1@2033.46,8730.31
  Layer8_BOT w6: v1(2035.43,8730.31) 2035.43,8531.5 2096.46,8470.47 v1(2214.57,8470.47)
spiA_cs_CH7: R7_CH7.2 U1_CH7.E3 UA1_CH7.10 UB1_CH7.4 | length 1246
  Layer1_Top w6: UB1_CH7.4@2776.37,4934.76 2801.6,4934.76 2805.12,4931.24 2805.12,4893.7 v1(2803.15,4891.73) ; R7_CH7.2@2839.57,4732.28 2911.42,4732.28 2927.17,4716.54 2970.47,4716.54 2982.28,4704.72 v1(2982.28,4631.89)
  Layer2_sig1 w6: v1(2756.4,4875.21) 2784.66,4875.21 2800.07,4890.62 2800.47,4890.62 2801.18,4891.34 v1@2801.18,4891.73
  Layer7_sig2 w6: v5(2484.25,4937.01) 2484.25,4907.48 2590.55,4801.18 2797.24,4801.18 2818.9,4822.83 2818.9,4874.02 v1@2801.18,4891.73
  Layer8_BOT w6: v1(2803.15,4891.73) 2803.15,4692.91 2864.17,4631.89 v1(2982.28,4631.89)
spiA_cs_CH8: R7_CH8.2 U1_CH8.E3 UA1_CH8.10 UB1_CH8.4 | length 1246
  Layer1_Top w6: UB1_CH8.4@2776.37,5702.47 2801.6,5702.47 2805.12,5698.96 2805.12,5661.42 v1(2803.15,5659.45) ; R7_CH8.2@2839.57,5500 2911.42,5500 2927.17,5484.25 2970.47,5484.25 2982.28,5472.44 v1(2982.28,5399.61)
  Layer2_sig1 w6: v1(2756.4,5642.92) 2784.66,5642.92 2800.07,5658.34 2800.47,5658.34 2801.18,5659.05 v1@2801.18,5659.45
  Layer7_sig2 w6: v5(2484.25,5704.72) 2484.25,5675.2 2590.55,5568.9 2797.24,5568.9 2818.9,5590.55 2818.9,5641.73 v1@2801.18,5659.45
  Layer8_BOT w6: v1(2803.15,5659.45) 2803.15,5460.63 2864.17,5399.61 v1(2982.28,5399.61)